# Altium PCB PCB1.PcbDoc
Units mm, origin at the board's own origin, x right, y up, seen from the top; angles counter-clockwise.
Board outline 50 x 100 mm, 2 copper layers (Top Layer, Bottom Layer); 58 components, 42 nets, 232 pads, 26 vias.
Unrouted connection lines stored in the file: 25.
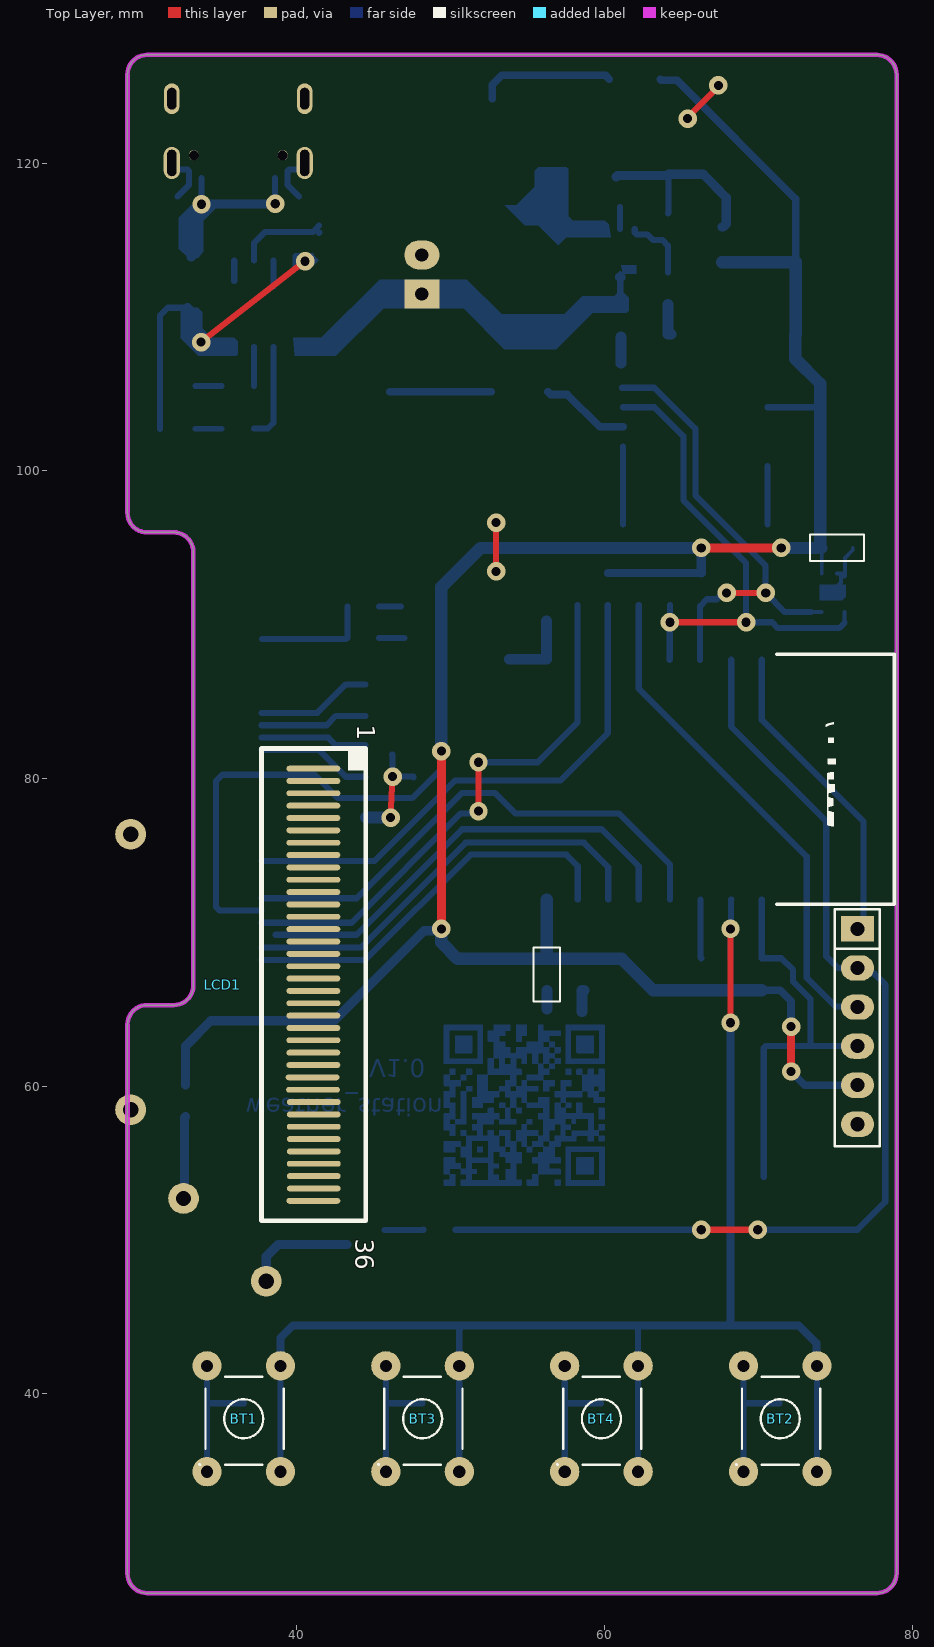
[diagram p0: Top Layer view]
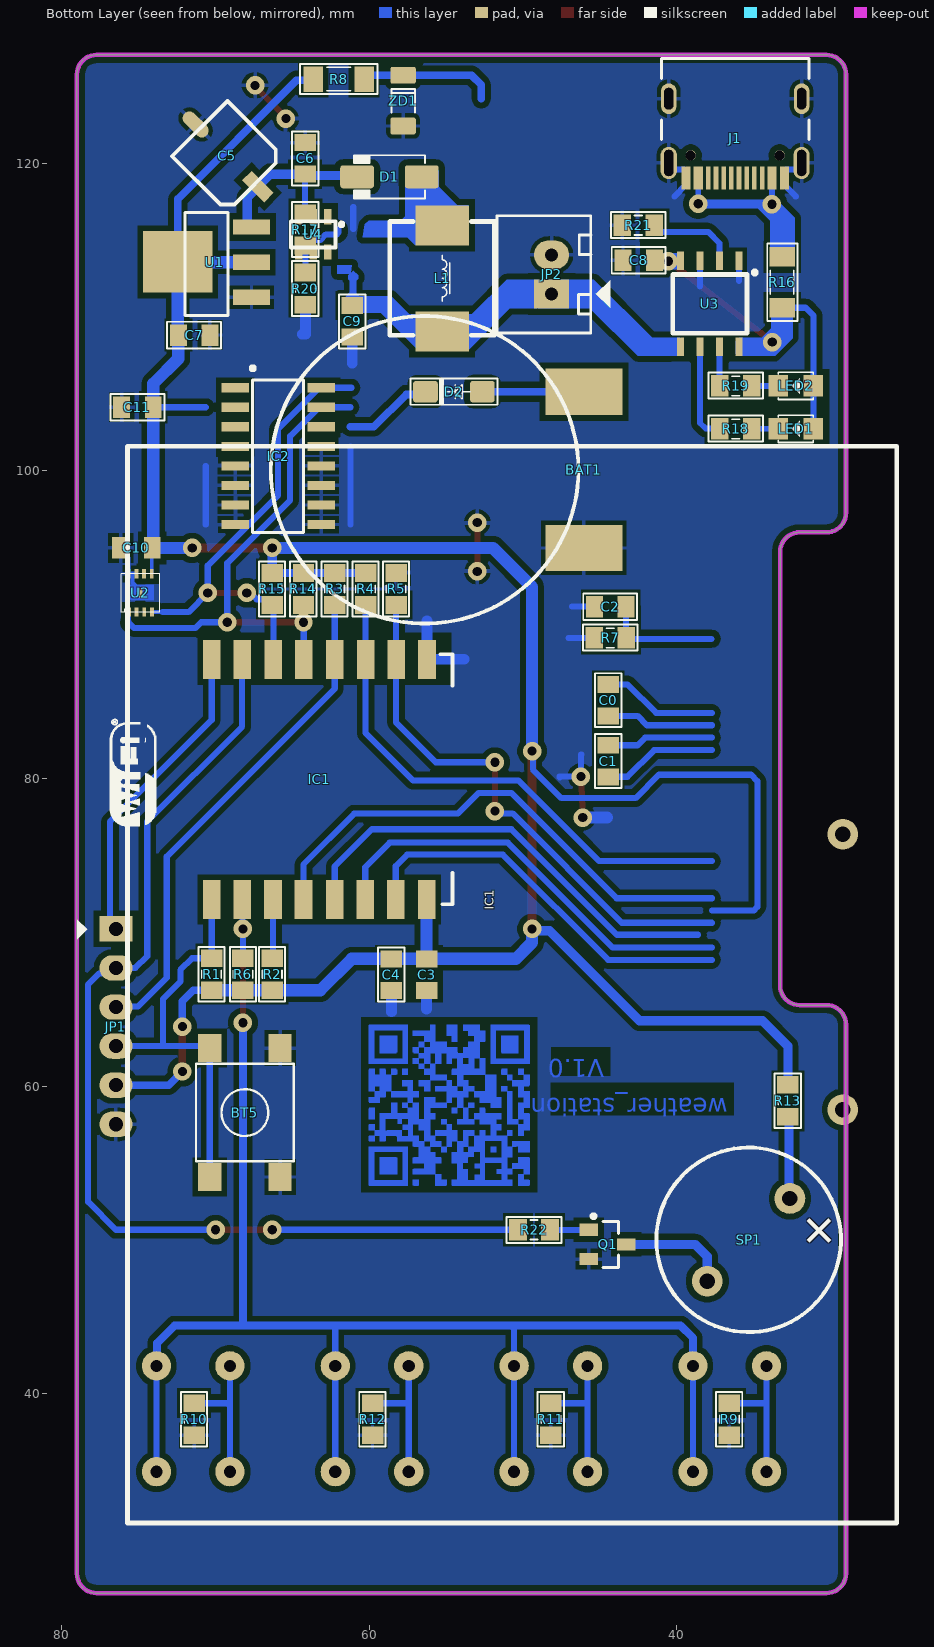
[diagram p1: Bottom Layer view, seen from below]
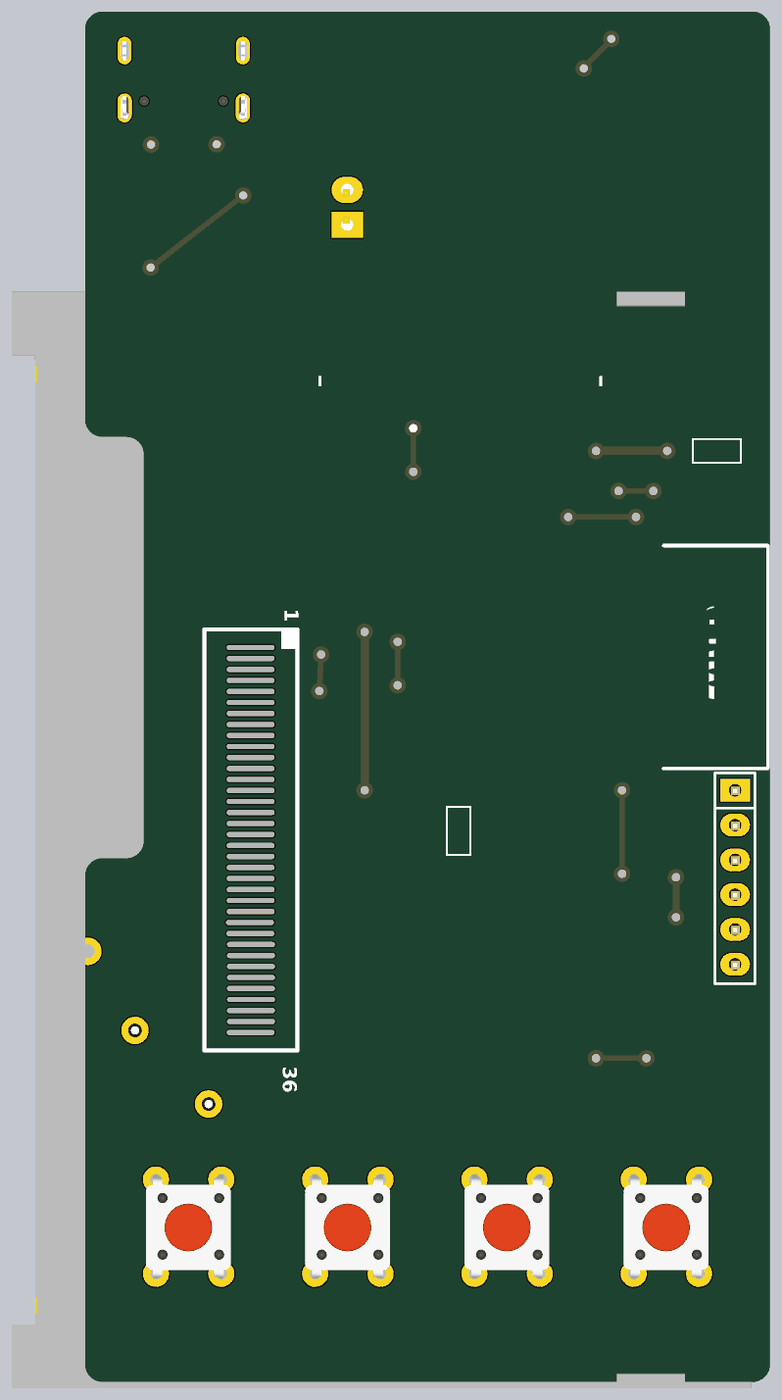
[diagram p2: 3D render of the assembled board from above, using the file's embedded part models]
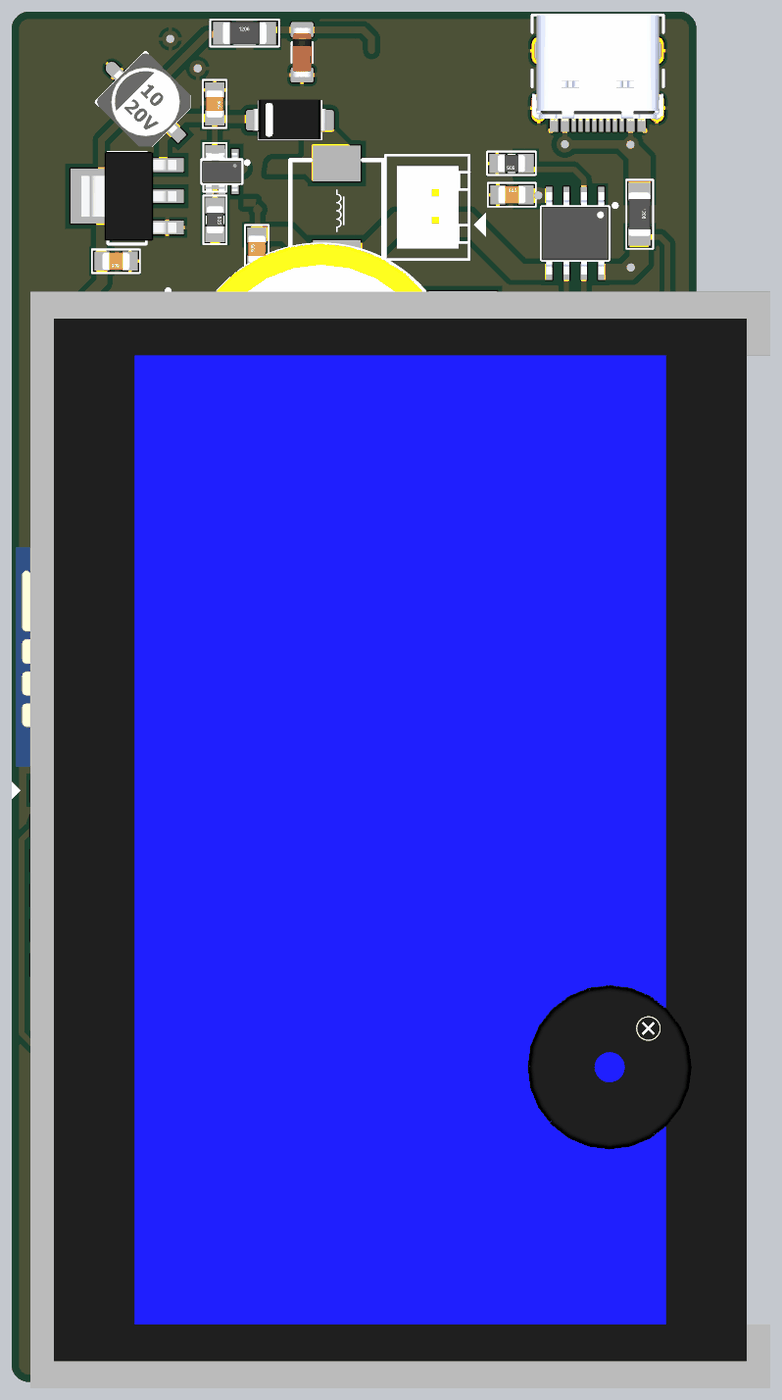
[diagram p3: 3D render of the assembled board from below, using the file's embedded part models]

## Layer stack, top to bottom
Top Solder: solder mask 0.0102, Solder Resist, Dk 3.5
Top Layer: signal copper 0.0356
Dielectric 1: dielectric 0.32, FR-4, Dk 4.8
Bottom Layer: signal copper 0.0356
Bottom Solder: solder mask 0.0102, Solder Resist, Dk 3.5

## Board outline
28.994,28.321 ccw(c30.264,28.321) 30.264,27.051 77.724,27.051 ccw(c77.724,28.321) 78.994,28.321 78.994,125.781 ccw(c77.724,125.781) 77.724,127.051 30.264,127.051 ccw(c30.264,125.781) 28.994,125.781 28.994,97.282 ccw(c30.264,97.282) 30.264,96.012 32.004,96.012 cw(c32.004,94.742) 33.274,94.742 33.274,66.548 cw(c32.004,66.548) 32.004,65.278 30.264,65.278 ccw(c30.264,64.008) 28.994,64.008

## Design rules (kind name [scope] priority, off if disabled: settings)
Clearance [All] p1: gap=0.381 ignorepadtopadclearanceinfootprint=FALSE
PolygonConnect [All] p1: connectstyle=Relief reliefconductorwidth=0.254 reliefentries=4 polygonreliefangle="90 Angle" airgapwidth=0.254
RoutingVias [All] p1: holewidth=0.711 width=1.27 viastyle="Through Hole" minholewidth=0.711 minwidth=1.27 maxholewidth=0.711 maxwidth=1.27
SolderMaskExpansion [All] p1: expansion=0.102 istentingtop=FALSE
Width [All] p1: maxlimit=1 minlimit=0.254 preferedwidth=0.35
30 further rules are at their usual default settings.

## Components (designator, comment, footprint, x,y, rotation, side; value= is the part's Value field where it differs from the comment)
BAT1 "CR2032" CR2032_SMD 56.388,100.076 r0 bottom
BT1 "BUTTON1" SW4 36.554,38.386 r270 top value=1N4007
BT2 "BUTTON1" SW4 71.434,38.386 r270 top value=1N4007
BT3 "BUTTON1" SW4 48.181,38.386 r270 top value=1N4007
BT4 "BUTTON1" SW4 59.807,38.386 r270 top value=1N4007
BT5 "BUTTON1" SW4_SMD 68.072,58.293 r270 bottom value=1N4007
C0 "1uF" CN-SMD-0805 44.45,85.099 r90 bottom value=0,1uF/300V
C1 "1uF" CN-SMD-0805 44.45,81.144 r90 bottom value=0,1uF/300V
C2 "10nF" CN-SMD-0805 44.323,91.186 r180 bottom value=0,1uF/300V
C3 "0.1uF" CN-SMD-0805 56.261,67.259 r90 bottom value=0,1uF/300V
C4 "1uF" CN-SMD-0805 58.547,67.259 r90 bottom value=0,1uF/300V
C5 "10uF" "cap_A_SMD 10uF/16V" 69.387,123.338 r315 bottom
C6 "1uF" CN-SMD-0805 64.16,120.32 r270 bottom value=0,1uF/300V
C7 "1uF" CN-SMD-0805 71.374,108.839 r0 bottom value=0,1uF/300V
C8 "1uF" CN-SMD-0805 42.469,113.69 r180 bottom value=0,1uF/300V
C9 "1uF" CN-SMD-0805 61.087,109.728 r90 bottom value=0,1uF/300V
C10 "0.1uF" CN-SMD-0805 75.121,95.002 r180 bottom value=0,1uF/300V
C11 "0.1uF" CN-SMD-0805 75.057,104.14 r180 bottom value=0,1uF/300V
D1 "SS34" DO-214AC(SMA) 58.674,119.126 r0 bottom value=1N4007
D2 "" SOD123 54.483,105.156 r180 bottom value=1N5007
IC1 "ESP8266 ESP-12-E" "ESP8266 ESP-12-E" 53.823,88.722 r90 bottom locked
IC2 "DS3231" SOIC-16 65.913,100.965 r180 bottom
J1 "USB4110-GF-A_REVB" GCT_USB4105-GF-A 36.197,121.031 r0 bottom
JP1 "JP6 PIN" JP6 76.454,70.231 r270 bottom value=JP7
JP2 "BAT" CON2 48.133,111.506 r90 bottom value="Connector 2"
L1 "2.2uH" L-SMD-06030-7.4x6.6X3 55.245,112.522 r0 bottom value="150 mH"
LCD1 "UC1601_12864" UC1601_LCD 37.707,66.606 r90 bottom locked
LED1 "GREEN" SM-LED-0805-Green 32.258,102.743 r0 bottom
LED2 "RED" SM-LED-0805-Red 32.258,105.537 r0 bottom
Q1 "AO3404" SOT23-3 51.481,51.558 r180 bottom
R1 "10k" RES-SMD-0805 70.231,67.285 r270 bottom
R2 "10k" RES-SMD-0805 66.294,67.285 r270 bottom
R3 "10k" RES-SMD-0805 62.23,92.329 r270 bottom
R4 "10k" RES-SMD-0805 60.223,92.329 r270 bottom
R5 "10k" RES-SMD-0805 58.242,92.329 r270 bottom
R6 "3.3K" RES-SMD-0805 68.199,67.285 r90 bottom
R7 "220K" RES-SMD-0805 44.323,89.154 r0 bottom
R8 "200R" RES-SMD-1206 61.976,125.476 r180 bottom
R9 "0R" RES-SMD-0805 36.576,38.354 r270 bottom
R10 "10K" RES-SMD-0805 71.374,38.354 r270 bottom
R11 "4.7K" RES-SMD-0805 48.175,38.354 r270 bottom
R12 "1.2K" RES-SMD-0805 59.775,38.354 r270 bottom
R13 "0R" RES-SMD-0805 32.766,59.055 r270 bottom
R14 "3.3K" RES-SMD-0805 64.262,92.329 r270 bottom
R15 "3.3K" RES-SMD-0805 66.294,92.329 r270 bottom
R16 "0.04R" RES-SMD-1206 33.147,112.268 r270 bottom
R17 "1.2K" RES-SMD-0805 64.135,115.697 r270 bottom
R18 "1K" RES-SMD-0805 36.168,102.743 r0 bottom
R19 "1K" RES-SMD-0805 36.168,105.537 r0 bottom
R20 "1.2K" RES-SMD-0805 64.135,111.86 r270 bottom
R21 "1.2K" RES-SMD-0805 42.494,115.976 r0 bottom
R22 "0R" RES-SMD-0805 49.276,50.673 r180 bottom
SP1 "Buzzer" BUZZER 35.326,50.018 r45 bottom
U1 "AMS1117-5V/3.3V" SOT-223 70.041,113.575 r90 bottom
U2 "SHT30" SHT-30 74.867,92.081 r90 bottom
U3 "TP4056" SOP-8 37.846,110.871 r270 bottom
U4 "MT3068" SOT23-6 62.677,116.539 r270 bottom
ZD1 "3.0V" "SOD80, LL-34" 57.785,124.079 r270 bottom

## Footprints (in the part's own frame and the unit in brackets; to place one, negate y for a bottom-side part, rotate by r counter-clockwise, add the part's x,y. Pads: shape width x height; smd on the part's side, far side on the other; paste and mask are expansions set on the pad)
BUZZER [mm]
  round 2 hole 1: 1(0,-3.8) 2(0,3.8)
  silkscreen extent -6,-6 6,6, body extent -6,-6 6,6, height 9.5
"cap_A_SMD 10uF/16V" [mil]
  rect 35x80 smd: 1(75,195)
  oval 35x80 smd: 2(75,-30)
  silkscreen extent -25,-15 175,185, body extent -29,-33 179,203, height 232
CN-SMD-0805 [mm]
  rect 1.1x1.4 smd: 1(-1.025,0) 2(1.025,0)
  silkscreen extent -1.75,-0.86 1.75,0.86, body extent -1,-0.63 1,0.62, height 0.8
CON2 [mil] "CON2"
  rect 75x90 hole 34: 1(0,0)
  oval 75x90 hole 34: 2(100,0)
  silkscreen extent -100,-150 200,140, body extent -68,-70 168,107, height 236
CR2032_SMD [mm]
  rect 5x3 smd: 1(-10.35,-5.08) 2(-10.35,5.08)
  silkscreen extent -10,-10 10,10, body extent -10.35,-10.05 10.35,10.05, height 6.3
DO-214AC(SMA) [mm]
  round 0.508 on Mech15: 0(0,0)
  rrect25% 2.2x1.5 smd: 1(-2.1,0) 2(2.1,0)
  silkscreen extent -2.3,-1.4 2.3,1.4, body extent -2.61,-1.5 2.67,1.42, height 2.41
"ESP8266 ESP-12-E" [mil] "ESP8266 ESP-12-E"
  rect 100x45 smd: 1(-653,646) 2(-653,568) 3(-653,489) 4(-653,411) 5(-653,331) 6(-653,253) 7(-653,175) 8(-653,96) 15(-38,95) 16(-38,174) 17(-38,252) 18(-39,331) 19(-39,410) 20(-39,488) 21(-39,568) 22(-39,646)
  silkscreen extent -665,30 -25,905, body extent -660,33 -30,979, height 150
GCT_USB4105-GF-A [mm]
  rect 0.6x1.5 smd: A1/B12(-3.2,1.986) A4/B9(-2.4,1.986) B1/A12(3.2,1.986) B4/A9(2.4,1.986)
  rect 0.3x1.5 smd: A5(-1.25,1.986) A6(-0.25,1.986) A7(0.25,1.986) A8(1.25,1.986) B5(1.75,1.986) B6(0.75,1.986) B7(-0.75,1.986) B8(-1.75,1.986)
  oval 1.05x2.1 hole 0.6 slot 1.7 at 90 deg: S1(-4.32,1.005) S4(4.32,1.005)
  oval 1x2 hole 0.6 slot 1.4 at 90 deg: S2(-4.32,-3.175) S3(4.32,-3.175)
  round 0.65 hole 0.65 unplated: ""(-2.89,0.505) ""(2.89,0.505)
  silkscreen extent -4.79,-5.77 4.79,-0.53, body extent -4.79,-5.76 4.79,1.95, height 3.31
JP6 [mil] "JP6"
  rect 65x85 hole 36: 1(0,0)
  oval 65x85 hole 36: 2(100,0) 3(200,0) 4(300,0) 5(400,0) 6(500,0)
  silkscreen extent -24,-99 26,-74, body extent -48,-50 548,48, height 323
L-SMD-06030-7.4x6.6X3 [mm]
  rect 3.5x2.6 smd: 1(0,3.45) 2(0,-3.45)
  silkscreen extent -3.4,-3.7 3.4,3.7, body extent -3.4,-4.1 3.4,4.1, height 3
RES-SMD-0805 [mm]
  rect 1.15x1.397 smd: 1(-1.043,0) 2(1.043,0)
  silkscreen extent -1.78,-0.86 1.78,0.84, body extent -1,-0.62 1,0.63, height 0.8
RES-SMD-1206 [mil]
  rect 50x65 smd: 1(-65,0) 2(65,0)
  silkscreen extent -99,-38 99,39, body extent -63,-31 63,32, height 40
SHT-30 [mm]
  rect 0.6x0.25 smd: 1(-1.251,0.75) 2(-1.251,0.25) 3(-1.251,-0.25) 4(-1.251,-0.75) 5(1.245,-0.738) 6(1.245,-0.238) 7(1.245,0.262) 8(1.245,0.762)
  rrect50% 0.6x0.25 smd: PAD(0,0)
  Top Layer region: -0.265,0.825 0.508,0.825 0.508,-0.875 -0.492,-0.875 -0.492,0.598
  silkscreen extent -1.25,-1.25 1.25,1.25, body extent -1.25,-1.25 1.25,1.25, height 1
SM-LED-0805-Green [mil]
  rect 50x55 smd: 1(-45,0) 2(45,0)
  silkscreen extent -45,-35 45,35, body extent -40,-25 40,25, height 43
SM-LED-0805-Red [mil]
  rect 50x55 smd: 1(-45,0) 2(45,0)
  silkscreen extent -45,-35 45,35, body extent -40,-25 40,25, height 43
"SOD80, LL-34" [mm] "Diode, MiniMELF"
  round 0.5 on Mech15: 0(0,0)
  rrect25% 1.1x1.65 smd: A(1.65,0) K(-1.65,0)
  silkscreen extent -0.76,-0.76 0.76,0.76, body extent -1.8,-0.75 1.8,0.75, height 1.47
SOD123 [mm] "SOD-123; 2 Leads; Body 2.7 x 1.6 mm, (LxW)"
  rrect25% 1.6x1.4 smd: A(1.85,0) K(-1.85,0)
  silkscreen extent -2.82,-0.85 2.82,0.85, body extent -1.9,-0.9 1.9,0.9, height 1.02
SOIC-16 [mm]
  rect 1.78x0.6 smd: 1(-2.794,4.445) 2(-2.794,3.175) 3(-2.794,1.905) 4(-2.794,0.635) 5(-2.794,-0.635) 6(-2.794,-1.905) 7(-2.794,-3.175) 8(-2.794,-4.445) 9(2.794,-4.445) 10(2.794,-3.175) 11(2.794,-1.905) 12(2.794,-0.635) 13(2.794,0.635) 14(2.794,1.905) 15(2.794,3.175) 16(2.794,4.445)
  silkscreen extent -1.78,-4.95 1.65,5.84, body extent -2.99,-4.95 2.99,4.95, height 1.35
SOP-8 [mm]
  rect 1.2x0.45 smd: 1(-2.794,1.905) 2(-2.794,0.635) 3(-2.794,-0.635) 4(-2.794,-1.905) 5(2.794,-1.905) 6(2.794,-0.635) 7(2.794,0.635) 8(2.794,1.905)
  silkscreen extent -2.16,-2.41 1.91,3.05, body extent -3,-2.45 3,2.45, height 1.75
SOT23-3 [mm]
  rect 1.2x0.8 smd: 1(5.761,-0.89) 2(8.211,-1.84) 3(5.761,-2.79)
  silkscreen extent 5.95,-3.34 7.69,0.12, body extent 5.77,-3.36 8.41,-0.32, height 0.94
SOT23-6 [mm]
  rect 1x0.5 smd: 1(0,0) 2(0,-0.95) 3(0,-1.9) 4(2.3,-1.9) 5(2.3,-0.95) 6(2.3,0)
  silkscreen extent 0.3,-2.41 2.01,1, body extent -0.2,-2.42 2.59,0.48, height 1.1
SOT-223 [mm]
  rect 1x2.4 smd: 1(-2.286,-2.4) 2(0,-2.4) 3(2.286,-2.4)
  rect 4x4.5 smd: 2(0.014,2.4)
  silkscreen extent -3.48,-0.88 3.22,1.92, body extent -3.25,-3.09 3.25,3.87, height 1.66
SW4 [mil] "SW button 4pin, 250 x250 mil"
  round 75 hole 31: 1(-135.5,94) 1(135.5,94) 2(-135.5,-94) 2(135.5,-94)
  silkscreen extent -108,-113 118,102, body extent -153,-123 158,121, height 276
SW4_SMD [mm] "SW SMD button 4pin, 250 x250 mil"
  rect 1.8x1.5 smd: 1(-4.191,2.286) 1(4.191,2.286) 2(-4.191,-2.286) 2(4.191,-2.286)
  silkscreen extent -3.18,-3.18 3.18,3.18, body extent -4.43,-3.02 4.58,3.02, height 6
UC1601_LCD [mm]
  oval 0.38x3.5 smd far side: 3(12.44,3.374) 4(11.638,3.374) 5(10.835,3.374) 6(10.032,3.374) 7(9.229,3.374) 8(8.426,3.374) 11(6.018,3.374) 16(2.003,3.374) 17(1.201,3.374) 18(0.398,3.374) 19(-0.405,3.374) 20(-1.208,3.374) 21(-2.011,3.374) 22(-2.814,3.374) 23(-3.617,3.374) 29(-8.434,3.4) N/C(-14.054,3.374) N/C(-13.251,3.4) N/C(-12.448,3.4) N/C(-11.645,3.4) N/C(-10.842,3.4) N/C(-10.039,3.4) N/C(-9.237,3.4) N/C(-7.631,3.4) N/C(-6.828,3.349) N/C(-6.025,3.324) N/C(-5.222,3.374) N/C(-4.419,3.374) N/C(2.806,3.374) N/C(3.609,3.374) N/C(4.412,3.374) N/C(5.215,3.374) N/C(6.82,3.374) N/C(7.623,3.374) N/C(13.243,3.374) N/C(14.046,3.374)
  round 2 hole 1: A(-8.128,-8.509) K(9.779,-8.509)
  silkscreen extent -35,-12 35,38, body extent -40,-14.1 40,39.9, height 9.1

## Part data
C0 C1 C2 C3 C4 C6 C7 C8 C9 C10 C11: library part "CAP SMD", "CAP SMD", Designed by=VanDungEvn
C5: library part CAP_Radial1, "CAP_Radial1"
D1: library part "Diode  Schottky", "Diode  Schottky"
D2: library part "Diode-1N4007 -A4", "Default Diode", Code - JEDEC=DO-214-AB, Published=8-Jun-2000, Publisher="Altium Limited", Revision="July-2002: Re-released for DXP Platform."
J1: "USB-C (USB TYPE-C) USB 2.0 Receptacle Connector 24 (16+8 Dummy) Position Surface Mount, Right Angle; Through Hole", Package=None, Availability=Warning, Check_prices=https://www.snapeda.com/parts/USB4110-GF-A/Global%20Connector%20Technology/view-part/4001167/?ref=eda, MF=GCT, MP=USB4110-GF-A, Price=None, Purchase-URL=https://pricing.snapeda.com/search/part/USB4110-GF-A/?ref=eda, SnapEDA_Link=https://www.snapeda.com/parts/USB4110-GF-A/Global%20Connector%20Technology/view-part/4001167/?ref=snap
JP1: library part JP6
JP2: library part Con2, "Connector 2"
L1: library part inductor-SMD, "inductor-SMD"
LED1 LED2: library part LED-SMD-0805
R1 R2 R3 R4 R5 R6 R7 R8 R9 R10 R11 R12 R13 R14 R15 R16 R17 R18 R19 R20 R21 R22: library part Res-SMD, "Resistor", Manufacturer="Generic Components", Class=Passive, Published=08/06/2000, Publisher="Altium Hobart Technology Centre"
SP1: library part Buzzer_5V
U1: "IC on ap 5V/3.3V"
U2: library part SHT-30
ZD1: library part "Diode Zener", "Zener Diode", LatestRevisionDate=17-Jul-2002, LatestRevisionNote="Re-released for DXP Platform.", PackageReference=DIODE-0.7, Published=8-Jun-2000, Publisher="Altium Limited"

## Via types
v1: diameter 1.2, hole 0.6, Top Layer to Bottom Layer, tented both sides, 26 vias

## Nets (pads, with @x,y where several pads share a name; then routed paths per layer and width w, separated by ;. In a path a pad name is that pad's centre, name@x,y a point inside that pad or via, vN(x,y) a via of type N, cw(c..) or ccw(c..) an arc to the next point about the centre after c; other vN are vias at no path point)
+3.3V: C3.2 C4.2 C7.2 C10.2 C11.2 IC1.8 IC2.2 JP1.5 LCD1.7 LCD1.18 R1.2 R2.2 R3.1 R4.1 R6.1 R8.1 R13.1 R14.1 R15.1 U1.2 U2.5 | length 190.7
  Top Layer w0.5: v1(72.136,60.96) v1(72.136,63.881)
  Top Layer w0.6: v1(49.403,70.231) v1(49.403,81.788) ; v1(66.294,94.996) v1(71.501,94.996)
  Bottom Layer w0.25: U2.5 C10.2@74.129,94.968
  Bottom Layer w0.3: C10.2 C10.2@74.129,94.968
  Bottom Layer w0.4: 37.707,71.423 34.983,71.423 34.749,71.657 34.749,79.834 35.17,80.255 37.707,80.255 41.157,80.255 42.672,78.74 47.498,78.74 49.346,80.588 49.346,81.731 v1(49.403,81.788) ; 70.613,104.14 C11.2
  Bottom Layer w0.5: R4.1 R3.1 R14.1 R15.1 ; R8.1 63.703,125.4 64.719,125.4 72.441,117.678 U1.2@72.441,113.589 ; R1.2 71.426,66.242 72.136,65.532 v1(72.136,63.881) ; v1(72.136,60.96) 73.025,60.071 JP1.5@76.835,60.071
  Bottom Layer w0.6: R13.1 32.766,62.611 34.417,64.262 42.418,64.262 48.272,70.116 49.288,70.116 v1(49.403,70.231) ; R15.1 v1(66.294,94.996) ; v1(71.501,94.996) v1@71.504,94.999 ; C10.2@74.032,95.066 C10.2 C10.2@74.093,94.999
  Bottom Layer w0.8: v1(49.403,70.231) 49.403,69.342 50.46,68.285 C3.2 ; v1(49.403,81.788) 49.403,92.456 51.943,94.996 v1(66.294,94.996) ; IC1.8 C3.2 ; U1.2@67.641,113.575 72.427,113.575 72.441,113.589 72.441,108.839 C7.2 72.399,107.306 74.032,105.673 C11.2 C10.2@74.032,95.066 ; R1.2 R2.2 63.171,66.242 61.128,68.285 C4.2 C3.2 ; v1@71.504,94.999 C10.2@74.093,94.999
+5V: J1.A4/B9 J1.B4/A9 R16.1 | length 8.5
  Top Layer w0.5: v1(33.807,117.348) v1@33.82,117.361 ; v1@38.584,117.361 v1(38.597,117.373)
  Bottom Layer w0.381: v1@33.797,117.348 J1.A4/B9 ; v1(33.807,117.348) v1@33.82,117.361 ; v1@38.584,117.361 v1(38.597,117.373) J1.B4/A9
  Bottom Layer w0.6: R16.1 R16.1@33.274,114.046 ; v1@33.807,117.186 v1(33.807,117.348) ; v1@33.82,117.361 v1@38.584,117.361
ADC_BUT: BT1.1 BT2.1 BT3.1 BT4.1 IC1.2 R6.2 | length 101.5
  Top Layer w0.4: v1(68.199,64.135) v1(68.199,70.231)
  Bottom Layer w0.4: BT1.1@38.942,34.944 BT1.1@38.942,41.828 ; BT3.1@50.568,34.944 50.568,41.828 50.568,44.218 50.8,44.45 ; BT4.1@62.195,34.944 62.195,41.828 62.195,44.415 62.23,44.45 ; R6.2 v1(68.199,70.231) 68.224,70.256 68.224,72.111 IC1.2 ; BT2.1@73.822,34.944 BT2.1@73.822,41.828
  Bottom Layer w0.5: BT1.1@38.942,41.828 38.942,43.641 39.751,44.45 50.568,44.45 50.8,44.45 62.23,44.45 68.199,44.45 ; v1(68.199,64.135) 68.199,44.45 ; BT2.1@73.822,41.828 73.787,41.862 73.787,43.307 72.644,44.45 68.199,44.45
BOOT: IC1.18 JP1.3 R3.2 | length 33.2
  Bottom Layer w0.4: R3.2 IC1.18 62.23,85.852 73.152,74.93 73.152,67.056 75.021,65.187 76.799,65.187 JP1.3@76.835,65.151
CLK: IC1.4 LCD1.8 | length 33.6
  Bottom Layer w0.4: 37.707,72.226 43.905,72.226 50.749,79.07 52.883,79.07 54.229,77.724 60.96,77.724 64.262,74.422 IC1.4
CS: IC1.7 LCD1.3 | length 25.9
  Bottom Layer w0.4: 37.707,68.212 44.463,68.212 51.308,75.057 57.531,75.057 58.268,74.32 IC1.7
DAT: IC1.17 LCD1.11 R4.2 | length 34.3
  Bottom Layer w0.4: 37.707,74.635 45.044,74.635 50.292,79.883 57.15,79.883 60.223,82.956 IC1.17 R4.2
DC: IC1.5 LCD1.5 | length 29.6
  Bottom Layer w0.4: 38.608,69.849 43.891,69.849 50.75,76.708 59.817,76.708 62.23,74.295 IC1.5
GND: BAT1.2 BT5.1 C2.1 C3.1 C4.1 C5.2 C6.1 C7.1 C8.1 C9.1 C10.1 C11.1 IC1.15 IC2.5 IC2.6 IC2.7 IC2.8 IC2.9 IC2.10 IC2.11 IC2.12 IC2.13 J1.A1/B12 J1.B1/A12 J1.S1 J1.S2 J1.S3 J1.S4 JP1.6 JP2.2 LCD1.16 LCD1.17 LCD1.19 LCD1.K Q1.3 R5.1 R7.2 R9.2 R10.2 R11.2 R12.2 R20.2 R21.2 U1.1 U2.7 U2.8 U2.PAD U3.1 U3.3 U4.2 ZD1.A | length 52
  Top Layer w0.4: v1(46.101,77.47) v1(46.228,80.137) ; v1(52.959,93.472) v1(52.959,96.647) ; v1(65.405,122.911) 65.405,122.987 67.412,124.993 v1(67.412,125.07)
  Bottom Layer w0.254: U2.PAD 74.867,92.252 75.379,92.764 75.379,93.152 75.627,93.152 75.629,93.154 U2.8 ; U2.7 U2.8 ; C10.1 76.147,94.852 75.629,94.334 U2.8
  Bottom Layer w0.4: J1.S1 31.877,119.895 32.177,119.595 32.897,119.595 32.997,119.495 J1.A1/B12 32.997,118.595 32.258,117.856 ; 35.941,112.344 U3.1 ; 38.481,111.989 U3.3 ; 40.136,117.856 39.397,118.595 J1.B1/A12 39.397,119.495 39.497,119.595 40.217,119.595 40.517,119.895 J1.S4 ; C2.1 46.787,91.186 ; R7.2 47.015,89.154 ; 46.203,81.559 46.228,81.559 v1(46.228,80.137) 47.6,80.137 47.6,80.086 ; 61.026,115.73 61.026,117.16 ; 61.213,96.52 61.213,99.06 61.213,101.6 ; 70.613,96.52 70.613,100.33
  Bottom Layer w0.7: 53.823,87.757 IC1.15 56.236,90.246 ; 56.261,65.024 C3.1 ; 58.547,64.846 C4.1 C4.1@58.674,66.234 ; 61.087,107.01 C9.1 ; R20.2 64.135,108.89 64.338,108.89
  Bottom Layer w0.8: 44.526,77.47 v1(46.101,77.47)
NetBat1_1: BAT1.1 D2.A | length 6.6
  Bottom Layer w0.5: BAT1.1 D2.A
NetBT1_2: BT1.2 R9.1 | length 9.3
  Bottom Layer w0.4: BT1.2@34.166,34.944 34.166,39.497 ; BT1.2@34.166,41.828 34.166,39.497 ; R9.1 34.266,39.397 34.166,39.497
NetBT2_2: BT2.2 R10.1 | length 9.3
  Bottom Layer w0.4: BT2.2@69.046,34.944 69.046,39.243 ; BT2.2@69.046,41.828 69.046,39.243 ; R10.1 69.201,39.397 69.046,39.243
NetBT3_2: BT3.2 R11.1 | length 9.3
  Bottom Layer w0.4: BT3.2@45.793,34.944 45.793,39.37 ; BT3.2@45.793,41.828 45.793,39.37 ; R11.1 45.82,39.397 45.793,39.37
NetBT4_2: BT4.2 R12.1 | length 9.2
  Bottom Layer w0.4: BT4.2@57.42,34.944 57.42,39.37 ; BT4.2@57.42,41.828 57.42,39.37 ; R12.1 57.447,39.397 57.42,39.37
NetC0_1: C0.1 LCD1.22 | length 7
  Bottom Layer w0.4: 37.707,83.466 41.937,83.466 42.545,84.074 C0.1
NetC0_2: C0.2 LCD1.23 | length 7.5
  Bottom Layer w0.4: 37.707,84.269 41.343,84.269 43.199,86.125 C0.2
NetC1_1: C1.1 LCD1.20 | length 7.5
  Bottom Layer w0.4: 37.707,81.86 41.457,81.86 43.199,80.118 C1.1
NetC1_2: C1.2 LCD1.21 | length 6.9
  Bottom Layer w0.4: 37.707,82.663 42.051,82.663 42.545,82.169 C1.2
NetC2_2: C2.2 LCD1.29 R7.1 | length 7.6
  Bottom Layer w0.4: 37.733,89.086 43.212,89.086 R7.1 43.289,89.163 43.289,91.177 C2.2
NetC5_1: C5.1 C6.2 D1.2 R17.1 U1.3 | length 12.5
  Bottom Layer w0.4: R17.1 64.16,116.765 C6.2
  Bottom Layer w0.6: D1.2 60.858,119.21 64.076,119.21 C6.2 66.425,119.294 C5.1 67.231,118.461 67.92,117.772 67.92,116.061 67.72,115.861 U1.3
NetC8_2: C8.2 LED1.1 LED2.1 R16.2 U3.4 U3.8 | length 18.3
  Top Layer w0.4: v1(33.782,108.382) v1(40.538,113.64)
  Bottom Layer w0.4: LED1.1 LED2.1 31.115,110.109 31.623,110.617 R16.2@32.893,110.617
  Bottom Layer w0.6: R16.2@32.893,110.617 R16.2@33.166,110.344
NetD1_A: D1.1 L1.2 U4.1
NetD2_K: D2.K IC2.14 | length 5.8
  Bottom Layer w0.5: D2.K 56.519,104.97 57.59,104.97 59.69,102.87 61.213,102.87
NetIC1_3: IC1.3 R2.1 | length 3.8
  Bottom Layer w0.4: IC1.3 66.243,68.378 R2.1
NetLCD1_A: LCD1.A R8.2 ZD1.K | length 8.9
  Bottom Layer w0.5: 52.707,124.206 52.707,125.097 53.339,125.729 ZD1.K 60.072,125.729 R8.2
NetLED1_2: LED1.2 R18.1 | length 1.7
  Bottom Layer w0.381: LED1.2 R18.1
NetLED2_2: LED2.2 R19.1 | length 1.7
  Bottom Layer w0.381: LED2.2 R19.1
NetQ1_1: Q1.1 R22.2 | length 2.5
  Bottom Layer w0.4: Q1.1 48.228,50.668 R22.2
NetQ1_2: Q1.2 SP1.2 | length 7.2
  Bottom Layer w0.6: SP1.2@37.993,47.351 SP1.2 38.013,48.935 38.796,49.718 Q1.2
NetR13_2: R13.2 SP1.1 | length 5.4
  Bottom Layer w0.6: SP1.1 32.703,52.768 32.703,57.949 R13.2
NetR17_2: R17.2 R20.1 U4.3 | length 4.5
  Bottom Layer w0.4: 61.976,115.73 61.976,115.505 62.101,115.38 62.801,115.38 63.17,115.011 63.778,115.011 R17.2 R20.1
NetR18_2: R18.2 U3.6 | length 6.4
  Bottom Layer w0.381: R18.2 37.224,102.756 38.113,102.756 38.481,103.124 U3.6
NetR19_2: R19.2 U3.7 | length 2.5
  Bottom Layer w0.381: R19.2 U3.7
NetR21_1: R21.1 U3.2 | length 5.9
  Bottom Layer w0.381: U3.2 37.211,114.808 37.948,115.545 41.067,115.545 R21.1 ; R21.1@41.451,115.468 R21.1@41.478,115.495
nRST: BT5.2 IC1.1 JP1.4 R1.1 | length 26.5
  Bottom Layer w0.4: IC1.1 R1.1 71.499,68.328 72.263,67.564 72.263,66.802 73.406,65.659 73.406,62.611 ; BT5.2@70.358,54.102 70.358,62.484 70.485,62.611 73.406,62.611 ; JP1.4@76.835,62.611 73.406,62.611
RST: IC1.6 LCD1.4 | length 28.1
  Bottom Layer w0.4: 37.707,69.015 44.161,69.015 50.985,75.838 58.655,75.838 60.249,74.244 IC1.6
RW: IC1.16 LCD1.6 R5.2 | length 35.4
  Top Layer w0.4: v1(51.816,77.889) v1(51.816,81.064)
  Bottom Layer w0.4: 37.707,70.62 37.717,70.63 43.568,70.63 50.673,77.736 51.663,77.736 v1(51.816,77.889) ; v1(51.816,81.064) 55.664,81.064 58.242,83.642 IC1.16 R5.2
Rx: IC1.21 JP1.2 R22.1 | length 69.3
  Top Layer w0.4: v1(66.294,50.673) v1(69.977,50.673)
  Bottom Layer w0.4: R22.1 v1(66.294,50.673) ; IC1.21 68.25,83.388 74.422,77.216 74.422,68.453 75.184,67.691 JP1.2 77.047,67.691 77.413,67.324 77.557,67.324 78.263,66.619 78.263,52.482 76.454,50.673 v1(69.977,50.673)
SCL: IC1.20 IC2.16 R15.2 U2.4 | length 30.7
  Top Layer w0.4: v1(67.945,92.075) v1(70.485,92.075)
  Bottom Layer w0.254: 73.431,90.83 U2.4
  Bottom Layer w0.4: 61.146,105.41 63.246,105.41 65.913,102.743 65.913,98.425 70.485,93.853 v1(70.485,92.075) 71.73,90.83 73.431,90.83 ; IC1.20 66.218,91.21 66.669,91.661 67.315,91.661 67.729,92.075 v1(67.945,92.075)
SDA: IC1.19 IC2.15 R14.2 U2.1 | length 34.4
  Top Layer w0.4: v1(64.262,90.17) v1(69.215,90.17)
  Bottom Layer w0.254: 75.617,90.143 U2.1
  Bottom Layer w0.4: 61.213,104.14 63.246,104.14 65.132,102.254 65.132,98.102 69.215,94.019 v1(69.215,90.17) 70.905,90.17 71.286,89.789 75.263,89.789 75.617,90.143 ; IC1.19 64.249,87.744 64.249,90.157 v1(64.262,90.17) R14.2
Tx: IC1.22 JP1.1 | length 20.2
  Bottom Layer w0.4: IC1.22 70.231,83.82 76.835,77.216 JP1.1@76.835,70.231
VBat: C9.2 JP2.1 L1.1 U3.5 U4.4 U4.5 | length 0
pads on no net: D1.0 IC2.1 IC2.3 IC2.4 J1. J1.A5 J1.A6 J1.A7 J1.A8 J1.B5 J1.B6 J1.B7 J1.B8 LCD1.N/C U2.2 U2.3 U2.6 U4.6 ZD1.0

## Polygon pours and split planes (outlines as drawn)
GND on Bottom Layer "GND_L02_P000" (solid, pour order 0): 30.264,127.051 77.724,127.051 cw(c77.724,125.781) 78.994,125.781 78.994,28.321 cw(c77.724,28.321) 77.724,27.051 30.264,27.051 cw(c30.264,28.321) 28.994,28.321 28.994,64.008 cw(c30.264,64.008) 30.264,65.278 31.623,65.278 ccw(c31.623,66.929) 33.274,66.929 33.274,94.742 ccw(c32.004,94.742) 32.004,96.012 30.264,96.012 cw(c30.264,97.282) 28.994,97.282 28.994,125.781 cw(c30.264,125.781)

## Keep-outs
Keep-Out Layer:
  lines w0.3: 28.994,28.321 ccw(c30.264,28.321) 30.264,27.051 77.724,27.051 ccw(c77.724,28.321) 78.994,28.321 78.994,125.781 ccw(c77.724,125.781) 77.724,127.051 53.975,127.051 30.264,127.051 ccw(c30.264,125.781) 28.994,125.781 28.994,97.282 ccw(c30.264,97.282) 30.264,96.012 32.004,96.012 cw(c32.004,94.742) 33.274,94.742 33.274,66.548 cw(c32.004,66.548) 32.004,65.278 30.264,65.278 ccw(c30.264,64.008) 28.994,64.008 28.994,28.321

## Other copper
Bottom Layer:
  pour cut-out: 60.133,107.899 62.041,107.899 62.041,111.742 60.133,111.742
  pour cut-out: 49.073,64.491 49.073,53.111 60.503,53.111 60.503,64.491
  region: 51.404,60.914 51.404,60.785 51.361,60.785 51.361,60.743 51.018,60.743 51.018,61.128 51.361,61.128 51.361,61.086 51.404,61.086 51.404,60.957
  region: 59.98,57.526 59.98,57.484 60.023,57.484 60.023,57.141 59.637,57.141 59.637,57.526 59.937,57.526
  region: 54.277,58.513 54.277,58.598 54.62,58.598 54.62,58.255 54.277,58.255 54.277,58.47
  region: 55.521,54.268 55.692,54.268 55.692,53.539 55.006,53.539 55.006,53.581 54.963,53.581 54.963,53.924 55.306,53.924 55.306,54.268 55.478,54.268
  region: 49.903,53.924 49.946,53.924 49.946,54.268 50.289,54.268 50.289,53.539 49.603,53.539 49.603,53.581 49.56,53.581 49.56,53.882 49.603,53.882 49.603,53.924 49.86,53.924
  region: 56.936,61.471 56.764,61.471 56.764,61.815 57.15,61.815 57.15,61.471 56.979,61.471
  region: 57.536,60.743 57.493,60.743 57.493,61.128 57.836,61.128 57.836,60.743 57.579,60.743
  region: 50.246,61.128 50.289,61.128 50.289,60.743 49.946,60.743 49.946,61.128 50.204,61.128
  region: 58.179,60.914 58.179,61.086 58.222,61.086 58.222,61.128 58.565,61.128 58.565,60.743 58.222,60.743 58.222,60.785 58.179,60.785 58.179,60.871
  region: 59.637,56.797 59.98,56.797 59.98,56.755 60.023,56.755 60.023,56.454 59.98,56.454 59.98,56.412 59.637,56.412 59.637,56.755
  region: 56.636,61.471 56.764,61.471 56.764,61.128 56.421,61.128 56.421,61.471 56.593,61.471
  region: 51.747,55.854 51.747,56.069 52.09,56.069 52.09,55.725 51.747,55.725 51.747,55.811
  region: 51.018,60.485 51.018,60.399 50.675,60.399 50.675,60.743 51.018,60.743 51.018,60.528
  region: 54.963,57.655 54.963,57.87 55.306,57.87 55.306,57.526 54.963,57.526 54.963,57.612
  region: 53.891,58.47 53.891,57.87 54.277,57.87 54.277,57.526 53.162,57.526 53.162,57.87 53.548,57.87 53.548,58.598 53.891,58.598 53.891,58.513
  region: 57.15,53.581 57.107,53.581 57.107,53.539 56.807,53.539 56.807,53.581 56.764,53.581 56.764,53.924 57.15,53.924 57.15,53.624
  region: 55.778,61.471 56.035,61.471 56.035,61.128 56.421,61.128 56.421,60.743 56.035,60.743 56.035,60.399 54.963,60.399 54.963,60.743 55.692,60.743 55.692,61.471 55.735,61.471
  region: 49.946,54.482 49.946,54.268 49.56,54.268 49.56,55.34 49.603,55.34 49.603,55.382 50.289,55.382 50.289,54.997 50.675,54.997 50.675,54.653 49.946,54.653 49.946,54.525
  region: 50.418,56.069 50.289,56.069 50.289,55.725 49.56,55.725 49.56,56.412 50.675,56.412 50.675,56.069 50.461,56.069
  region: 56.764,60.314 56.764,60.014 56.421,60.014 56.421,59.67 56.035,59.67 56.035,60.399 56.764,60.399 56.764,60.357
  region: 51.361,59.67 51.018,59.67 51.018,60.014 51.404,60.014 51.404,59.67
  region: 51.533,64.001 52.09,64.001 52.09,61.471 49.56,61.471 49.56,63.959 49.603,63.959 49.603,64.001 51.49,64.001 hole: 51.747,62.415 51.747,63.616 49.946,63.616 49.946,61.815 51.747,61.815 51.747,62.372
  region: 56.764,59.285 56.764,59.67 57.15,59.67 57.15,60.399 57.836,60.399 57.836,60.014 57.493,60.014 57.493,59.67 58.565,59.67 58.565,59.285 57.493,59.285 57.493,58.942 57.15,58.942 57.15,59.285 56.807,59.285
  region: 51.404,63.187 51.404,62.2 51.361,62.2 51.361,62.158 50.289,62.158 50.289,63.272 51.404,63.272 51.404,63.23
  region: 51.018,57.012 51.018,56.797 50.675,56.797 50.675,57.141 51.018,57.141 51.018,57.055
  region: 54.963,63.744 54.963,63.272 54.62,63.272 54.62,62.887 54.277,62.887 54.277,64.001 54.963,64.001 54.963,63.787
  region: 59.594,64.001 59.98,64.001 59.98,63.959 60.023,63.959 60.023,61.471 57.493,61.471 57.493,64.001 59.552,64.001 hole: 57.836,62.158 57.836,61.815 59.637,61.815 59.637,63.616 57.836,63.616 57.836,62.2
  region: 49.946,59.027 49.946,58.942 50.289,58.942 50.289,57.87 49.946,57.87 49.946,57.526 50.289,57.526 50.289,56.797 49.946,56.797 49.946,57.141 49.56,57.141 49.56,58.213 49.603,58.213 49.603,58.255 49.946,58.255 49.946,58.598 49.56,58.598 49.56,59.67 49.946,59.67 49.946,60.014 49.603,60.014 49.603,60.056 49.56,60.056 49.56,60.743 49.946,60.743 49.946,60.399 50.675,60.399 50.675,60.014 50.289,60.014 50.289,59.285 49.946,59.285 49.946,59.07
  region: 55.049,56.069 55.306,56.069 55.306,55.725 54.963,55.725 54.963,56.069 55.006,56.069
  region: 58.951,62.158 58.222,62.158 58.222,62.2 58.179,62.2 58.179,63.272 59.294,63.272 59.294,62.158 58.994,62.158
  region: 57.708,53.539 57.493,53.539 57.493,56.069 60.023,56.069 60.023,53.581 59.98,53.581 59.98,53.539 57.751,53.539 hole: 59.637,55.425 59.637,55.725 57.836,55.725 57.836,53.924 59.637,53.924 59.637,55.382
  region: 54.277,57.012 54.277,57.141 54.62,57.141 54.62,57.526 54.963,57.526 54.963,57.141 55.692,57.141 55.692,56.797 54.963,56.797 54.963,56.069 54.62,56.069 54.62,56.412 54.277,56.412 54.277,56.969
  region: 53.548,58.942 53.548,58.598 53.162,58.598 53.162,58.942 53.505,58.942
  region: 57.15,62.243 57.15,62.2 57.107,62.2 57.107,62.158 56.764,62.158 56.764,62.543 57.15,62.543 57.15,62.286
  region: 59.809,58.598 59.98,58.598 59.98,58.556 60.023,58.556 60.023,57.87 59.637,57.87 59.637,58.598 59.766,58.598
  region: 59.294,59.842 59.294,59.67 59.637,59.67 59.637,59.285 60.023,59.285 60.023,58.984 59.98,58.984 59.98,58.942 59.294,58.942 59.294,59.285 58.951,59.285 58.951,59.327 58.908,59.327 58.908,59.67 58.565,59.67 58.565,60.743 58.908,60.743 58.908,61.086 58.951,61.086 58.951,61.128 59.294,61.128 59.294,60.743 59.637,60.743 59.637,61.128 59.98,61.128 59.98,61.086 60.023,61.086 60.023,59.67 59.637,59.67 59.637,60.014 59.294,60.014 59.294,59.885
  region: 51.404,57.226 51.404,57.526 51.747,57.526 51.747,57.87 51.404,57.87 51.404,58.255 52.433,58.255 52.433,58.556 52.476,58.556 52.476,58.598 52.819,58.598 52.819,58.255 53.162,58.255 53.162,57.87 52.819,57.87 52.819,57.526 52.09,57.526 52.09,56.797 52.433,56.797 52.433,57.141 52.819,57.141 52.819,56.797 53.162,56.797 53.162,56.069 53.548,56.069 53.548,55.725 53.891,55.725 53.891,56.069 53.548,56.069 53.548,56.797 53.162,56.797 53.162,57.141 53.891,57.141 53.891,56.412 54.277,56.412 54.277,55.725 54.62,55.725 54.62,54.997 54.277,54.997 54.277,53.924 54.62,53.924 54.62,53.581 54.577,53.581 54.577,53.539 50.675,53.539 50.675,53.924 51.018,53.924 51.018,54.268 50.675,54.268 50.675,54.653 51.018,54.653 51.018,55.382 50.675,55.382 50.675,56.069 51.018,56.069 51.018,56.797 51.747,56.797 51.747,57.141 51.404,57.141 51.404,57.183 hole: 51.704,54.268 51.404,54.268 51.404,53.924 52.433,53.924 52.433,54.997 51.404,54.997 51.404,54.653 51.747,54.653 51.747,54.268 hole: 51.619,56.412 51.404,56.412 51.404,55.382 52.433,55.382 52.433,56.412 51.661,56.412 hole: 53.548,54.525 53.548,54.653 53.891,54.653 53.891,54.997 53.548,54.997 53.548,55.34 53.505,55.34 53.505,55.382 53.162,55.382 53.162,55.725 52.819,55.725 52.819,54.997 53.162,54.997 53.162,54.653 52.819,54.653 52.819,54.268 53.162,54.268 53.162,53.924 53.548,53.924 53.548,54.482
  region: 50.547,57.526 50.289,57.526 50.289,57.87 50.675,57.87 50.675,59.67 51.018,59.67 51.018,57.526 50.589,57.526
  region: 56.507,62.887 56.764,62.887 56.764,62.543 56.421,62.543 56.421,62.887 56.464,62.887
  region: 54.277,60.056 54.277,60.014 53.891,60.014 53.891,59.67 54.277,59.67 54.277,60.014 54.62,60.014 54.62,60.399 54.963,60.399 54.963,60.014 55.692,60.014 55.692,59.67 54.963,59.67 54.963,58.942 54.62,58.942 54.62,59.285 54.277,59.285 54.277,58.598 53.891,58.598 53.891,59.285 53.548,59.285 53.548,59.67 53.162,59.67 53.162,60.014 53.548,60.014 53.548,60.399 53.891,60.399 53.891,60.743 52.433,60.743 52.433,61.815 52.819,61.815 52.819,61.128 53.162,61.128 53.162,61.815 52.819,61.815 52.819,62.887 52.476,62.887 52.476,62.929 52.433,62.929 52.433,63.616 52.819,63.616 52.819,64.001 53.891,64.001 53.891,63.616 53.548,63.616 53.548,63.272 53.162,63.272 53.162,62.887 53.548,62.887 53.548,62.543 53.891,62.543 53.891,62.158 54.234,62.158 54.234,62.2 54.277,62.2 54.277,62.543 54.963,62.543 54.963,62.887 55.692,62.887 55.692,64.001 56.035,64.001 56.035,63.616 57.15,63.616 57.15,63.272 56.421,63.272 56.421,62.887 56.035,62.887 56.035,62.543 56.421,62.543 56.421,62.158 56.764,62.158 56.764,61.815 56.421,61.815 56.421,61.471 56.035,61.471 56.035,62.158 55.692,62.158 55.692,61.471 55.306,61.471 55.306,62.158 54.963,62.158 54.963,61.471 54.62,61.471 54.62,61.815 54.277,61.815 54.277,61.128 54.577,61.128 54.577,61.086 54.62,61.086 54.62,60.743 54.277,60.743 54.277,60.099 hole: 53.548,61.6 53.548,61.471 53.891,61.471 53.891,61.815 53.548,61.815 53.548,61.643
  region: 51.919,60.743 52.433,60.743 52.433,59.67 53.162,59.67 53.162,59.285 52.819,59.285 52.819,58.942 52.09,58.942 52.09,58.598 51.404,58.598 51.404,59.285 51.747,59.285 51.747,60.743 51.876,60.743
  region: 58.222,55.382 59.294,55.382 59.294,54.268 58.179,54.268 58.179,55.34 58.222,55.34
  region: 57.836,58.942 57.836,58.598 57.493,58.598 57.493,58.942 57.793,58.942
  region: 58.565,58.556 58.565,58.255 59.294,58.255 59.294,57.141 59.637,57.141 59.637,56.797 59.294,56.797 59.294,56.412 58.951,56.412 58.951,56.454 58.908,56.454 58.908,56.797 58.222,56.797 58.222,56.755 58.179,56.755 58.179,56.412 57.15,56.412 57.15,56.111 57.107,56.111 57.107,56.069 56.764,56.069 56.764,55.382 57.107,55.382 57.107,55.34 57.15,55.34 57.15,54.997 56.421,54.997 56.421,54.653 57.107,54.653 57.107,54.611 57.15,54.611 57.15,54.268 55.692,54.268 55.692,54.997 55.306,54.997 55.306,55.34 55.349,55.34 55.349,55.382 55.692,55.382 55.692,55.725 56.035,55.725 56.035,56.069 56.421,56.069 56.421,56.412 56.764,56.412 56.764,56.797 57.15,56.797 57.15,57.526 56.764,57.526 56.764,57.141 56.421,57.141 56.421,56.412 56.035,56.412 56.035,56.069 55.306,56.069 55.306,56.412 55.692,56.412 55.692,56.797 56.035,56.797 56.035,57.87 55.692,57.87 55.692,58.255 56.035,58.255 56.035,58.598 54.963,58.598 54.963,58.942 55.692,58.942 55.692,59.285 56.421,59.285 56.421,57.87 56.764,57.87 56.764,58.942 57.15,58.942 57.15,58.598 57.493,58.598 57.493,58.255 58.179,58.255 58.179,58.942 58.565,58.942 58.565,58.598 hole: 58.908,57.141 58.908,57.87 58.179,57.87 58.179,57.526 57.836,57.526 57.836,57.87 57.493,57.87 57.493,57.526 57.836,57.526 57.836,57.141 57.493,57.141 57.493,56.797 57.836,56.797 57.836,57.141 58.865,57.141
  pour cut-out: 55.18,69.216 55.18,65.43 59.628,65.43 59.628,69.216
  pour cut-out: 31.686,61.054 31.686,57.056 33.846,57.056 33.846,61.054
  pour cut-out: 65.215,69.284 65.215,65.317 71.31,65.317 71.31,69.284
  pour cut-out: 55.308,73.787 55.308,70.485 71.183,70.485 71.183,73.787
  pour cut-out: 71.183,86.081 54.635,86.081 54.635,89.51 71.183,89.51
  pour cut-out: 43.369,87.056 45.531,87.056 45.531,79.223 43.369,79.223
  pour cut-out: 42.367,92.267 46.195,92.267 46.195,88.075 42.324,88.075
  pour cut-out: 63.055,117.696 65.215,117.696 65.215,109.988 63.055,109.988
  pour cut-out: 35.462,114.519 40.314,114.519 40.314,112.598 35.484,112.598
  pour cut-out: 30.099,106.617 38.167,106.617 38.167,101.663 30.099,101.663
  region net VBat: 61.112,113.386 62.052,113.386 62.078,113.36 62.078,112.827 61.229,112.827 61.183,112.872
  region net VBat: 47.155,112.446 51.054,112.446 53.315,110.185 57.379,110.185 58.547,111.354 60.63,111.354 60.833,111.557 60.833,112.37 60.706,112.497 60.706,112.71 61.026,113.03 61.341,112.715 61.341,112.471 61.239,112.37 61.239,111.608 61.57,111.277 61.57,110.414 61.443,110.287 59.233,110.287 56.871,107.925 53.492,107.925 50.851,110.566 49.073,110.566 48.133,111.506
  region net NetC8_2: 33.858,109.271 33.858,110.312 33.553,110.617 33.147,110.617 32.563,110.566 32.461,110.465 32.461,108.636 33.604,107.493 36.068,107.493 36.17,107.594 36.17,108.433 35.941,108.661 34.468,108.661
  region net +5V: 33.934,116.281 34.722,117.069 34.43,117.361 33.677,117.361 33.607,117.291 33.28,117.291 33.217,117.354 32.328,116.465 32.328,114.459 32.937,113.849 33.599,113.849 33.934,114.263
  region net NetC8_2: 39.751,113.665 39.751,114.021 39.878,114.148 41.097,114.148 41.097,114.037 41.443,113.69 40.894,113.141 40.894,113.106 39.929,113.106 39.751,113.284
  region net VBat: 39.776,108.661 41.605,108.661 45.39,112.446 48.92,112.446 49.174,112.192 49.174,110.769 48.997,110.592 45.644,110.592 42.545,107.493 39.878,107.493
  region net NetD1_A: 60.401,115.189 57.506,115.189 56.998,114.681 55.707,115.972 54.818,115.972 53.518,117.272 54.28,117.272 55.474,118.466 55.474,119.532 55.702,119.761 57.531,119.761 57.658,119.634 57.658,116.561 57.937,116.281 60.02,116.281 60.274,116.027
  text "V1.0" at 44.706,62.137 h2 r180
  text "weather_station" at 36.678,59.626 h2 r180

## Silkscreen, mask and mechanical layers (free items; w line width, h text height)
Mechanical 15:
  lines w0.3: 29.083,65.278 33.274,65.278 33.274,96.012 29.083,96.012 ; 53.994,27.051 53.994,127.051 ; 78.956,127.051 28.994,127.051 28.994,27.051 78.994,27.051 78.994,127.051

## Text inside footprints (layer, text, board x,y; h text height)
IC1: Mechanical 13 "ANTENNA AREA" at 78.222,72.137 h0.25 r270; Mechanical 13 "CUTOUT POLYGON" at 77.714,72.137 h0.25 r270
LCD1: Top Overlay "1" at 43.549,83.497 h2 r270; Top Overlay "36" at 43.439,50.096 h2 r270
SP1: Bottom Overlay "+" at 31.057,52.826 h4 r135